# KiCad board multi-channel-cremat-amplifier.kicad_pcb (continued)
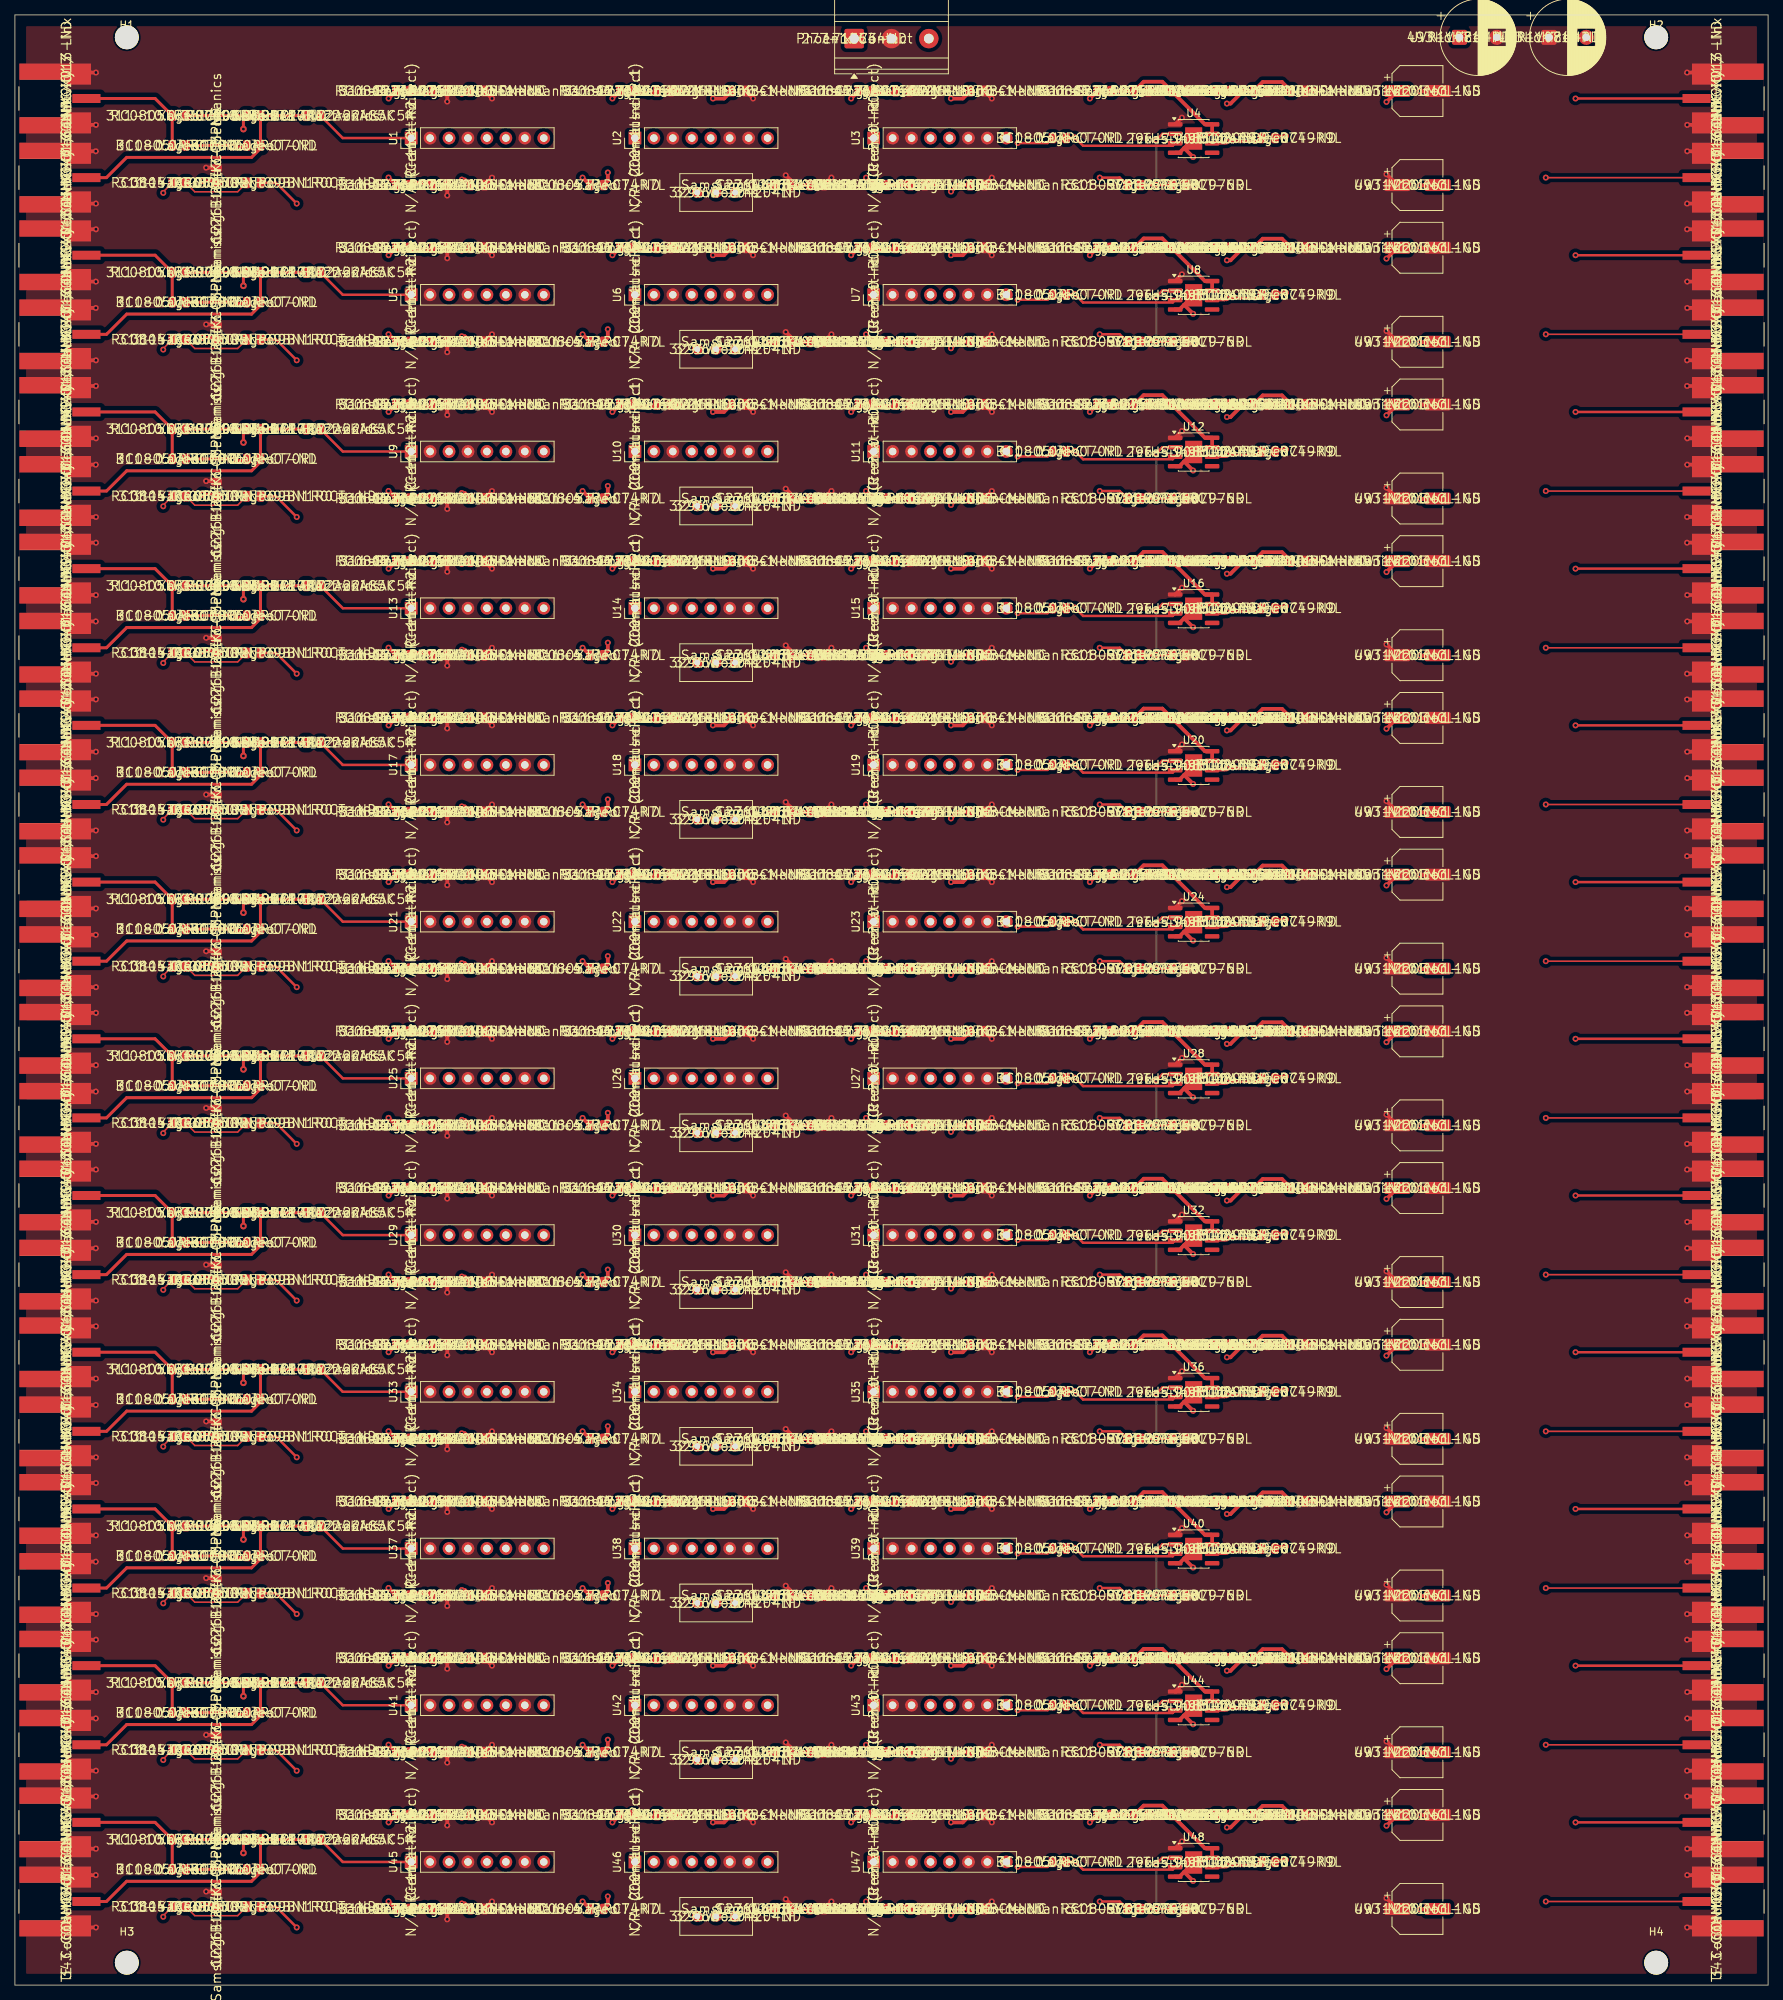
[diagram p0: board, top side]
## Placement (name value [footprint] x y rotation side) (continued)
R4  0R  [R_0805_2012Metric]  32 246.5 0 top  (not fitted)
R5  47  [R_0805_2012Metric]  22 241.5 0 top
R6  4.7  [R_0805_2012Metric]  52 253.8 0 top
R7  4.7  [R_0805_2012Metric]  52 241.2 0 top
R8  4.7  [R_0805_2012Metric]  82 253.8 0 top
R9  4.7  [R_0805_2012Metric]  78 241.2 0 top
R10  4.7  [R_0805_2012Metric]  114 253.8 0 top
R11  4.7  [R_0805_2012Metric]  116 241.2 0 top
R12  0R  [R_0805_2012Metric]  140 247.5 0 top  (not fitted)
R13  976  [R_0805_2012Metric]  150 241.2 0 top
R14  976  [R_0805_2012Metric]  156 241.2 0 top
R15  49.9  [R_0805_2012Metric]  168 247.5 0 top
R16  4.7  [R_0805_2012Metric]  146 253.8 0 top
R17  4.7  [R_0805_2012Metric]  162 253.8 0 top
R18  10k  [R_0805_2012Metric]  22 229.5 0 top
R19  0R  [R_0805_2012Metric]  22 225.5 0 top  (not fitted)
R20  10k  [R_0805_2012Metric]  32 229.5 0 top
R21  0R  [R_0805_2012Metric]  32 225.5 0 top  (not fitted)
R22  47  [R_0805_2012Metric]  22 220.5 0 top
R23  4.7  [R_0805_2012Metric]  52 232.8 0 top
R24  4.7  [R_0805_2012Metric]  52 220.2 0 top
R25  4.7  [R_0805_2012Metric]  82 232.8 0 top
R26  4.7  [R_0805_2012Metric]  78 220.2 0 top
R27  4.7  [R_0805_2012Metric]  114 232.8 0 top
R28  4.7  [R_0805_2012Metric]  116 220.2 0 top
R29  0R  [R_0805_2012Metric]  140 226.5 0 top  (not fitted)
R30  976  [R_0805_2012Metric]  150 220.2 0 top
R31  976  [R_0805_2012Metric]  156 220.2 0 top
R32  49.9  [R_0805_2012Metric]  168 226.5 0 top
R33  4.7  [R_0805_2012Metric]  146 232.8 0 top
R34  4.7  [R_0805_2012Metric]  162 232.8 0 top
R35  10k  [R_0805_2012Metric]  22 208.5 0 top
R36  0R  [R_0805_2012Metric]  22 204.5 0 top  (not fitted)
R37  10k  [R_0805_2012Metric]  32 208.5 0 top
R38  0R  [R_0805_2012Metric]  32 204.5 0 top  (not fitted)
R39  47  [R_0805_2012Metric]  22 199.5 0 top
R40  4.7  [R_0805_2012Metric]  52 211.8 0 top
R41  4.7  [R_0805_2012Metric]  52 199.2 0 top
R42  4.7  [R_0805_2012Metric]  82 211.8 0 top
R43  4.7  [R_0805_2012Metric]  78 199.2 0 top
R44  4.7  [R_0805_2012Metric]  114 211.8 0 top
R45  4.7  [R_0805_2012Metric]  116 199.2 0 top
R46  0R  [R_0805_2012Metric]  140 205.5 0 top  (not fitted)
R47  976  [R_0805_2012Metric]  150 199.2 0 top
R48  976  [R_0805_2012Metric]  156 199.2 0 top
R49  49.9  [R_0805_2012Metric]  168 205.5 0 top
R50  4.7  [R_0805_2012Metric]  146 211.8 0 top
R51  4.7  [R_0805_2012Metric]  162 211.8 0 top
R52  10k  [R_0805_2012Metric]  22 187.5 0 top
R53  0R  [R_0805_2012Metric]  22 183.5 0 top  (not fitted)
R54  10k  [R_0805_2012Metric]  32 187.5 0 top
R55  0R  [R_0805_2012Metric]  32 183.5 0 top  (not fitted)
R56  47  [R_0805_2012Metric]  22 178.5 0 top
R57  4.7  [R_0805_2012Metric]  52 190.8 0 top
R58  4.7  [R_0805_2012Metric]  52 178.2 0 top
R59  4.7  [R_0805_2012Metric]  82 190.8 0 top
R60  4.7  [R_0805_2012Metric]  78 178.2 0 top
R61  4.7  [R_0805_2012Metric]  114 190.8 0 top
R62  4.7  [R_0805_2012Metric]  116 178.2 0 top
R63  0R  [R_0805_2012Metric]  140 184.5 0 top  (not fitted)
R64  976  [R_0805_2012Metric]  150 178.2 0 top
R65  976  [R_0805_2012Metric]  156 178.2 0 top
R66  49.9  [R_0805_2012Metric]  168 184.5 0 top
R67  4.7  [R_0805_2012Metric]  146 190.8 0 top
R68  4.7  [R_0805_2012Metric]  162 190.8 0 top
R69  10k  [R_0805_2012Metric]  22 166.5 0 top
R70  0R  [R_0805_2012Metric]  22 162.5 0 top  (not fitted)
R71  10k  [R_0805_2012Metric]  32 166.5 0 top
R72  0R  [R_0805_2012Metric]  32 162.5 0 top  (not fitted)
R73  47  [R_0805_2012Metric]  22 157.5 0 top
R74  4.7  [R_0805_2012Metric]  52 169.8 0 top
R75  4.7  [R_0805_2012Metric]  52 157.2 0 top
R76  4.7  [R_0805_2012Metric]  82 169.8 0 top
R77  4.7  [R_0805_2012Metric]  78 157.2 0 top
R78  4.7  [R_0805_2012Metric]  114 169.8 0 top
R79  4.7  [R_0805_2012Metric]  116 157.2 0 top
R80  0R  [R_0805_2012Metric]  140 163.5 0 top  (not fitted)
R81  976  [R_0805_2012Metric]  150 157.2 0 top
R82  976  [R_0805_2012Metric]  156 157.2 0 top
R83  49.9  [R_0805_2012Metric]  168 163.5 0 top
R84  4.7  [R_0805_2012Metric]  146 169.8 0 top
R85  4.7  [R_0805_2012Metric]  162 169.8 0 top
R86  10k  [R_0805_2012Metric]  22 145.5 0 top
R87  0R  [R_0805_2012Metric]  22 141.5 0 top  (not fitted)
R88  10k  [R_0805_2012Metric]  32 145.5 0 top
R89  0R  [R_0805_2012Metric]  32 141.5 0 top  (not fitted)
R90  47  [R_0805_2012Metric]  22 136.5 0 top
R91  4.7  [R_0805_2012Metric]  52 148.8 0 top
R92  4.7  [R_0805_2012Metric]  52 136.2 0 top
R93  4.7  [R_0805_2012Metric]  82 148.8 0 top
R94  4.7  [R_0805_2012Metric]  78 136.2 0 top
R95  4.7  [R_0805_2012Metric]  114 148.8 0 top
R96  4.7  [R_0805_2012Metric]  116 136.2 0 top
R97  0R  [R_0805_2012Metric]  140 142.5 0 top  (not fitted)
R98  976  [R_0805_2012Metric]  150 136.2 0 top
R99  976  [R_0805_2012Metric]  156 136.2 0 top
R100  49.9  [R_0805_2012Metric]  168 142.5 0 top
R101  4.7  [R_0805_2012Metric]  146 148.8 0 top
R102  4.7  [R_0805_2012Metric]  162 148.8 0 top
R103  10k  [R_0805_2012Metric]  22 124.5 0 top
R104  0R  [R_0805_2012Metric]  22 120.5 0 top  (not fitted)
R105  10k  [R_0805_2012Metric]  32 124.5 0 top
R106  0R  [R_0805_2012Metric]  32 120.5 0 top  (not fitted)
R107  47  [R_0805_2012Metric]  22 115.5 0 top
R108  4.7  [R_0805_2012Metric]  52 127.8 0 top
R109  4.7  [R_0805_2012Metric]  52 115.2 0 top
R110  4.7  [R_0805_2012Metric]  82 127.8 0 top
R111  4.7  [R_0805_2012Metric]  78 115.2 0 top
R112  4.7  [R_0805_2012Metric]  114 127.8 0 top
R113  4.7  [R_0805_2012Metric]  116 115.2 0 top
R114  0R  [R_0805_2012Metric]  140 121.5 0 top  (not fitted)
R115  976  [R_0805_2012Metric]  150 115.2 0 top
R116  976  [R_0805_2012Metric]  156 115.2 0 top
R117  49.9  [R_0805_2012Metric]  168 121.5 0 top
R118  4.7  [R_0805_2012Metric]  146 127.8 0 top
R119  4.7  [R_0805_2012Metric]  162 127.8 0 top
R120  10k  [R_0805_2012Metric]  22 103.5 0 top
R121  0R  [R_0805_2012Metric]  22 99.5 0 top  (not fitted)
R122  10k  [R_0805_2012Metric]  32 103.5 0 top
R123  0R  [R_0805_2012Metric]  32 99.5 0 top  (not fitted)
R124  47  [R_0805_2012Metric]  22 94.5 0 top
R125  4.7  [R_0805_2012Metric]  52 106.8 0 top
R126  4.7  [R_0805_2012Metric]  52 94.2 0 top
R127  4.7  [R_0805_2012Metric]  82 106.8 0 top
R128  4.7  [R_0805_2012Metric]  78 94.2 0 top
R129  4.7  [R_0805_2012Metric]  114 106.8 0 top
R130  4.7  [R_0805_2012Metric]  116 94.2 0 top
R131  0R  [R_0805_2012Metric]  140 100.5 0 top  (not fitted)
R132  976  [R_0805_2012Metric]  150 94.2 0 top
R133  976  [R_0805_2012Metric]  156 94.2 0 top
R134  49.9  [R_0805_2012Metric]  168 100.5 0 top
R135  4.7  [R_0805_2012Metric]  146 106.8 0 top
R136  4.7  [R_0805_2012Metric]  162 106.8 0 top
R137  10k  [R_0805_2012Metric]  22 82.5 0 top
R138  0R  [R_0805_2012Metric]  22 78.5 0 top  (not fitted)
R139  10k  [R_0805_2012Metric]  32 82.5 0 top
R140  0R  [R_0805_2012Metric]  32 78.5 0 top  (not fitted)
R141  47  [R_0805_2012Metric]  22 73.5 0 top
R142  4.7  [R_0805_2012Metric]  52 85.8 0 top
R143  4.7  [R_0805_2012Metric]  52 73.2 0 top
R144  4.7  [R_0805_2012Metric]  82 85.8 0 top
R145  4.7  [R_0805_2012Metric]  78 73.2 0 top
R146  4.7  [R_0805_2012Metric]  114 85.8 0 top
R147  4.7  [R_0805_2012Metric]  116 73.2 0 top
R148  0R  [R_0805_2012Metric]  140 79.5 0 top  (not fitted)
R149  976  [R_0805_2012Metric]  150 73.2 0 top
R150  976  [R_0805_2012Metric]  156 73.2 0 top
R151  49.9  [R_0805_2012Metric]  168 79.5 0 top
R152  4.7  [R_0805_2012Metric]  146 85.8 0 top
R153  4.7  [R_0805_2012Metric]  162 85.8 0 top
R154  10k  [R_0805_2012Metric]  22 61.5 0 top
R155  0R  [R_0805_2012Metric]  22 57.5 0 top  (not fitted)
R156  10k  [R_0805_2012Metric]  32 61.5 0 top
R157  0R  [R_0805_2012Metric]  32 57.5 0 top  (not fitted)
R158  47  [R_0805_2012Metric]  22 52.5 0 top
R159  4.7  [R_0805_2012Metric]  52 64.8 0 top
R160  4.7  [R_0805_2012Metric]  52 52.2 0 top
R161  4.7  [R_0805_2012Metric]  82 64.8 0 top
R162  4.7  [R_0805_2012Metric]  78 52.2 0 top
R163  4.7  [R_0805_2012Metric]  114 64.8 0 top
R164  4.7  [R_0805_2012Metric]  116 52.2 0 top
R165  0R  [R_0805_2012Metric]  140 58.5 0 top  (not fitted)
R166  976  [R_0805_2012Metric]  150 52.2 0 top
R167  976  [R_0805_2012Metric]  156 52.2 0 top
R168  49.9  [R_0805_2012Metric]  168 58.5 0 top
R169  4.7  [R_0805_2012Metric]  146 64.8 0 top
R170  4.7  [R_0805_2012Metric]  162 64.8 0 top
R171  10k  [R_0805_2012Metric]  22 40.5 0 top
R172  0R  [R_0805_2012Metric]  22 36.5 0 top  (not fitted)
R173  10k  [R_0805_2012Metric]  32 40.5 0 top
R174  0R  [R_0805_2012Metric]  32 36.5 0 top  (not fitted)
R175  47  [R_0805_2012Metric]  22 31.5 0 top
R176  4.7  [R_0805_2012Metric]  52 43.8 0 top
R177  4.7  [R_0805_2012Metric]  52 31.2 0 top
R178  4.7  [R_0805_2012Metric]  82 43.8 0 top
R179  4.7  [R_0805_2012Metric]  78 31.2 0 top
R180  4.7  [R_0805_2012Metric]  114 43.8 0 top
R181  4.7  [R_0805_2012Metric]  116 31.2 0 top
R182  0R  [R_0805_2012Metric]  140 37.5 0 top  (not fitted)
R183  976  [R_0805_2012Metric]  150 31.2 0 top
R184  976  [R_0805_2012Metric]  156 31.2 0 top
R185  49.9  [R_0805_2012Metric]  168 37.5 0 top
R186  4.7  [R_0805_2012Metric]  146 43.8 0 top
R187  4.7  [R_0805_2012Metric]  162 43.8 0 top
R188  10k  [R_0805_2012Metric]  22 19.5 0 top
R189  0R  [R_0805_2012Metric]  22 15.5 0 top  (not fitted)
R190  10k  [R_0805_2012Metric]  32 19.5 0 top
R191  0R  [R_0805_2012Metric]  32 15.5 0 top  (not fitted)
R192  47  [R_0805_2012Metric]  22 10.5 0 top
R193  4.7  [R_0805_2012Metric]  52 22.8 0 top
R194  4.7  [R_0805_2012Metric]  52 10.2 0 top
R195  4.7  [R_0805_2012Metric]  82 22.8 0 top
R196  4.7  [R_0805_2012Metric]  78 10.2 0 top
R197  4.7  [R_0805_2012Metric]  114 22.8 0 top
R198  4.7  [R_0805_2012Metric]  116 10.2 0 top
R199  0R  [R_0805_2012Metric]  140 16.5 0 top  (not fitted)
R200  976  [R_0805_2012Metric]  150 10.2 0 top
R201  976  [R_0805_2012Metric]  156 10.2 0 top
R202  49.9  [R_0805_2012Metric]  168 16.5 0 top
R203  4.7  [R_0805_2012Metric]  146 22.8 0 top
R204  4.7  [R_0805_2012Metric]  162 22.8 0 top
RV1  200k  [Potentiometer_Bourns_3296W_Vertical]  96.54 240.2 0 top
RV2  200k  [Potentiometer_Bourns_3296W_Vertical]  96.54 219.2 0 top
RV3  200k  [Potentiometer_Bourns_3296W_Vertical]  96.54 198.2 0 top
RV4  200k  [Potentiometer_Bourns_3296W_Vertical]  96.54 177.2 0 top
RV5  200k  [Potentiometer_Bourns_3296W_Vertical]  96.54 156.2 0 top
RV6  200k  [Potentiometer_Bourns_3296W_Vertical]  96.54 135.21 0 top
RV7  200k  [Potentiometer_Bourns_3296W_Vertical]  96.54 114.21 0 top
RV8  200k  [Potentiometer_Bourns_3296W_Vertical]  96.54 93.21 0 top
RV9  200k  [Potentiometer_Bourns_3296W_Vertical]  96.54 72.21 0 top
RV10  200k  [Potentiometer_Bourns_3296W_Vertical]  96.54 51.21 0 top
RV11  200k  [Potentiometer_Bourns_3296W_Vertical]  96.54 30.21 0 top
RV12  200k  [Potentiometer_Bourns_3296W_Vertical]  96.54 9.21 0 top
U1  CR-112  [PinHeader_1x08_P2.54mm_Vertical]  53.11 247.5 90 top
U2  CR-200-1us  [PinHeader_1x08_P2.54mm_Vertical]  83.11 247.5 90 top
U3  CR-210  [PinHeader_1x08_P2.54mm_Vertical]  115.11 247.5 90 top
U4  THS3491  [SOIC-8-1EP_3.9x4.9mm_P1.27mm_EP2.29x3mm]  158 247.43 0 top
U5  CR-112  [PinHeader_1x08_P2.54mm_Vertical]  53.11 226.5 90 top
U6  CR-200-1us  [PinHeader_1x08_P2.54mm_Vertical]  83.11 226.5 90 top
U7  CR-210  [PinHeader_1x08_P2.54mm_Vertical]  115.11 226.5 90 top
U8  THS3491  [SOIC-8-1EP_3.9x4.9mm_P1.27mm_EP2.29x3mm]  158 226.43 0 top
U9  CR-112  [PinHeader_1x08_P2.54mm_Vertical]  53.11 205.5 90 top
U10  CR-200-1us  [PinHeader_1x08_P2.54mm_Vertical]  83.11 205.5 90 top
U11  CR-210  [PinHeader_1x08_P2.54mm_Vertical]  115.11 205.5 90 top
U12  THS3491  [SOIC-8-1EP_3.9x4.9mm_P1.27mm_EP2.29x3mm]  158 205.43 0 top
U13  CR-112  [PinHeader_1x08_P2.54mm_Vertical]  53.11 184.5 90 top
U14  CR-200-1us  [PinHeader_1x08_P2.54mm_Vertical]  83.11 184.5 90 top
U15  CR-210  [PinHeader_1x08_P2.54mm_Vertical]  115.11 184.5 90 top
U16  THS3491  [SOIC-8-1EP_3.9x4.9mm_P1.27mm_EP2.29x3mm]  158 184.43 0 top
U17  CR-112  [PinHeader_1x08_P2.54mm_Vertical]  53.11 163.5 90 top
U18  CR-200-1us  [PinHeader_1x08_P2.54mm_Vertical]  83.11 163.5 90 top
U19  CR-210  [PinHeader_1x08_P2.54mm_Vertical]  115.11 163.5 90 top
U20  THS3491  [SOIC-8-1EP_3.9x4.9mm_P1.27mm_EP2.29x3mm]  158 163.43 0 top
U21  CR-112  [PinHeader_1x08_P2.54mm_Vertical]  53.11 142.5 90 top
U22  CR-200-1us  [PinHeader_1x08_P2.54mm_Vertical]  83.11 142.5 90 top
U23  CR-210  [PinHeader_1x08_P2.54mm_Vertical]  115.11 142.5 90 top
U24  THS3491  [SOIC-8-1EP_3.9x4.9mm_P1.27mm_EP2.29x3mm]  158 142.43 0 top
U25  CR-112  [PinHeader_1x08_P2.54mm_Vertical]  53.11 121.5 90 top
U26  CR-200-1us  [PinHeader_1x08_P2.54mm_Vertical]  83.11 121.5 90 top
U27  CR-210  [PinHeader_1x08_P2.54mm_Vertical]  115.11 121.5 90 top
U28  THS3491  [SOIC-8-1EP_3.9x4.9mm_P1.27mm_EP2.29x3mm]  158 121.43 0 top
U29  CR-112  [PinHeader_1x08_P2.54mm_Vertical]  53.11 100.5 90 top
U30  CR-200-1us  [PinHeader_1x08_P2.54mm_Vertical]  83.11 100.5 90 top
U31  CR-210  [PinHeader_1x08_P2.54mm_Vertical]  115.11 100.5 90 top
U32  THS3491  [SOIC-8-1EP_3.9x4.9mm_P1.27mm_EP2.29x3mm]  158 100.43 0 top
U33  CR-112  [PinHeader_1x08_P2.54mm_Vertical]  53.11 79.5 90 top
U34  CR-200-1us  [PinHeader_1x08_P2.54mm_Vertical]  83.11 79.5 90 top
U35  CR-210  [PinHeader_1x08_P2.54mm_Vertical]  115.11 79.5 90 top
U36  THS3491  [SOIC-8-1EP_3.9x4.9mm_P1.27mm_EP2.29x3mm]  158 79.43 0 top
U37  CR-112  [PinHeader_1x08_P2.54mm_Vertical]  53.11 58.5 90 top
U38  CR-200-1us  [PinHeader_1x08_P2.54mm_Vertical]  83.11 58.5 90 top
U39  CR-210  [PinHeader_1x08_P2.54mm_Vertical]  115.11 58.5 90 top
U40  THS3491  [SOIC-8-1EP_3.9x4.9mm_P1.27mm_EP2.29x3mm]  158 58.43 0 top
U41  CR-112  [PinHeader_1x08_P2.54mm_Vertical]  53.11 37.5 90 top
U42  CR-200-1us  [PinHeader_1x08_P2.54mm_Vertical]  83.11 37.5 90 top
U43  CR-210  [PinHeader_1x08_P2.54mm_Vertical]  115.11 37.5 90 top
U44  THS3491  [SOIC-8-1EP_3.9x4.9mm_P1.27mm_EP2.29x3mm]  158 37.43 0 top
U45  CR-112  [PinHeader_1x08_P2.54mm_Vertical]  53.11 16.5 90 top
U46  CR-200-1us  [PinHeader_1x08_P2.54mm_Vertical]  83.11 16.5 90 top
U47  CR-210  [PinHeader_1x08_P2.54mm_Vertical]  115.11 16.5 90 top
U48  THS3491  [SOIC-8-1EP_3.9x4.9mm_P1.27mm_EP2.29x3mm]  158 16.43 0 top

## Library data of the parts
C1 C22 C43 C64 C85 C106 C127 C148 C169 C190 C211 C232 = -: KiLib_Generator: SMD_2terminal_chip_molded; MPN: CL21B104KCC5PNC; Manufacturer: Samsung Electro-Mechanics; Distributor PN: 1276-2447-1-ND
C2 C23 C44 C65 C86 C107 C128 C149 C170 C191 C212 C233 = -: KiLib_Generator: SMD_2terminal_chip_molded; MPN: GRM21AR72A224KAC5K; Manufacturer: Murata Electronics; Distributor PN: 490-GRM21AR72A224KAC5K
C3 C24 C45 C66 C87 C108 C129 C150 C171 C192 C213 C234 = -: KiLib_Generator: SMD_2terminal_chip_molded; MPN: CC0805CRNPO9BN1R0; Manufacturer: Yageo; Distributor PN: 311-CC0805CRNPO9BN1R0CT-ND
C4 C6 C8 C10 C12 C14 C18 C20 C25 C27 C29 C31 C33 C35 C39 C41 C46 C48 C50 C52 C54 C56 C60 C62 C67 C69 C71 C73 C75 C77 C81 C83 C88 C90 C92 C94 C96 C98 C102 C104 C109 C111 C113 C115 C117 C119 C123 C125 C130 C132 C134 C136 C138 C140 C144 C146 C151 C153 C155 C157 C159 C161 C165 C167 C172 C174 C176 C178 C180 C182 C186 C188 C193 C195 C197 C199 C201 C203 C207 C209 C214 C216 C218 C220 C222 C224 C228 C230 C235 C237 C239 C241 C243 C245 C249 C251 = -: KiLib_Generator: SMD_2terminal_chip_molded; MPN: CL21A106KAYNNNE; Manufacturer: Samsung Electro-Mechanics; Distributor PN: 1276-1037-1-ND
C5 C7 C9 C11 C13 C15 C19 C21 C26 C28 C30 C32 C34 C36 C40 C42 C47 C49 C51 C53 C55 C57 C61 C63 C68 C70 C72 C74 C76 C78 C82 C84 C89 C91 C93 C95 C97 C99 C103 C105 C110 C112 C114 C116 C118 C120 C124 C126 C131 C133 C135 C137 C139 C141 C145 C147 C152 C154 C156 C158 C160 C162 C166 C168 C173 C175 C177 C179 C181 C183 C187 C189 C194 C196 C198 C200 C202 C204 C208 C210 C215 C217 C219 C221 C223 C225 C229 C231 C236 C238 C240 C242 C244 C246 C250 C252 = -: KiLib_Generator: SMD_2terminal_chip_molded; MPN: CL21B104KBCNNNC; Manufacturer: Samsung Electro-Mechanics; Distributor PN: 1276-1000-1-ND
C16 C17 C37 C38 C58 C59 C79 C80 C100 C101 C121 C122 C142 C143 C163 C164 C184 C185 C205 C206 C226 C227 C247 C248 = -: KiLib_Generator: capacitor/SMD/elec_round_polarized; MPN: UWT1V101MCL1GS; Manufacturer: Nichicon; Distributor PN: 493-2203-1-ND
C253 C254 = -: KiLib_Generator: capacitor/THT/other; MPN: UVR1V471MPD; Manufacturer: Nichicon; Distributor PN: 493-1084-ND
H1-H4 = -: KiLib_Generator: mounting_hardware/mounting_hole
J1-J48 = -: MPN: CONMCX013; Manufacturer: TE Connectivity / Linx; Distributor PN: 343-CONMCX013-ND
J49 = -: KiLib_Generator: terminal_block/Phoenix; MPN: 1715734; Manufacturer: Phoenix Contact; Distributor PN: 277-1264-ND
R1 R3 R18 R20 R35 R37 R52 R54 R69 R71 R86 R88 R103 R105 R120 R122 R137 R139 R154 R156 R171 R173 R188 R190 = -: KiLib_Generator: SMD_2terminal_chip_molded; MPN: RC0805FR-0710KL; Manufacturer: Yageo; Distributor PN: 311-10.0KCRCT-ND
R2 R4 R12 R19 R21 R29 R36 R38 R46 R53 R55 R63 R70 R72 R80 R87 R89 R97 R104 R106 R114 R121 R123 R131 R138 R140 R148 R155 R157 R165 R172 R174 R182 R189 R191 R199 = -: KiLib_Generator: SMD_2terminal_chip_molded; MPN: RC0805JR-070RL; Manufacturer: Yageo; Distributor PN: 311-0.0ARCT-ND
R5 R22 R39 R56 R73 R90 R107 R124 R141 R158 R175 R192 = -: KiLib_Generator: SMD_2terminal_chip_molded; MPN: RC0805JR-0747RL; Manufacturer: Yageo; Distributor PN: 311-47ARCT-ND
R6-R11 R16 R17 R23-R28 R33 R34 R40-R45 R50 R51 R57-R62 R67 R68 R74-R79 R84 R85 R91-R96 R101 R102 R108-R113 R118 R119 R125-R130 R135 R136 R142-R147 R152 R153 R159-R164 R169 R170 R176-R181 R186 R187 R193-R198 R203 R204 = -: KiLib_Generator: SMD_2terminal_chip_molded; MPN: RC0805JR-074R7L; Manufacturer: Yageo; Distributor PN: 311-4.7ARCT-ND
R13 R14 R30 R31 R47 R48 R64 R65 R81 R82 R98 R99 R115 R116 R132 R133 R149 R150 R166 R167 R183 R184 R200 R201 = -: KiLib_Generator: SMD_2terminal_chip_molded; MPN: RC0805FR-07976RL; Manufacturer: Yageo; Distributor PN: 311-976CRCT-ND
R15 R32 R49 R66 R83 R100 R117 R134 R151 R168 R185 R202 = -: KiLib_Generator: SMD_2terminal_chip_molded; MPN: RC0805FR-0749R9L; Manufacturer: Yageo; Distributor PN: 311-49.9CRCT-ND
RV1-RV12 = -: KiLib_Generator: potentiometer/THT; MPN: 3296W-1-204LF; Manufacturer: Bourns; Distributor PN: 3296W-204LF-ND
U1 U5 U9 U13 U17 U21 U25 U29 U33 U37 U41 U45 = -: KiLib_Generator: connector/pin_header_socket; MPN: CR-112-R2.1; Manufacturer: Cremat Inc; Distributor PN: N/A (Cremat-direct)
U2 U6 U10 U14 U18 U22 U26 U30 U34 U38 U42 U46 = -: KiLib_Generator: connector/pin_header_socket; MPN: CR-200-1us-R2.1; Manufacturer: Cremat Inc; Distributor PN: N/A (Cremat-direct)
U3 U7 U11 U15 U19 U23 U27 U31 U35 U39 U43 U47 = -: KiLib_Generator: connector/pin_header_socket; MPN: CR-210-R0; Manufacturer: Cremat Inc; Distributor PN: N/A (Cremat-direct)
U4 U8 U12 U16 U20 U24 U28 U32 U36 U40 U44 U48 = -: KiLib_Generator: package/gullwing; MPN: THS3491IDDAT; Manufacturer: Texas Instruments; Distributor PN: 296-49085-2-ND

## Footprints (pads in the part's own frame, mm; a bottom-side part is the same pattern mirrored in y, then rotated)
C_0805_2012Metric
  rrect 1x1.45 smd: 1(-0.95,0) 2(0.95,0)
CP_Elec_6.3x7.7
  rrect 3.5x1.6 smd: 1(-2.7,0) 2(2.7,0)
CP_Radial_D10.0mm_P5.00mm
  rrect 2x2 hole 1: 1(0,0)
  round 2 hole 1: 2(5,0)
MCX_CONMCX013_EdgeMount
  rect 1.2x3.77 smd: 1(0,2.685)
  custom 2.84x9.61 smd: 2(-3.6,-1.5) 2(3.6,-1.5)
MountingHole_3.2mm_M3
  round 3.2 hole 3.2 unplated: (0,0)
PinHeader_1x08_P2.54mm_Vertical
  rect 1.7x1.7 hole 1: 1(0,0)
  round 1.7 hole 1: 2(0,-2.54) 3(0,-5.08) 4(0,-7.62) 5(0,-10.16) 6(0,-12.7) 7(0,-15.24) 8(0,-17.78)
Potentiometer_Bourns_3296W_Vertical
  round 1.44 hole 0.8: 1(0,0) 2(-2.54,0) 3(-5.08,0)
R_0805_2012Metric
  rrect 1.025x1.4 smd: 1(-0.912,0) 2(0.912,0)
SOIC-8-1EP_3.9x4.9mm_P1.27mm_EP2.29x3mm
  rrect 0.92x1.21 smd: (-0.57,0.75) (-0.57,-0.75) (0.57,0.75) (0.57,-0.75)
  rrect 1.95x0.6 smd: 1(-2.475,1.905) 2(-2.475,0.635) 3(-2.475,-0.635) 4(-2.475,-1.905) 5(2.475,-1.905) 6(2.475,-0.635) 7(2.475,0.635) 8(2.475,1.905)
  rect 2.29x3 smd: 9(0,0)
TerminalBlock_Phoenix_MKDS-1,5-3_1x03_P5.00mm_Horizontal
  rrect 2.6x2.6 hole 1.3: 1(0,0)
  round 2.6 hole 1.3: 2(5,0) 3(10,0)

## Nets
GND: C1.2 C4.2 C5.2 C6.2 C7.2 C8.2 C9.2 C10.2 C11.2 C12.2 C13.2 C14.2 C15.2 C16.2 C17.1 C18.2 C19.2 C20.2 C21.2 C22.2 C25.2 C26.2 C27.2 C28.2 C29.2 C30.2 C31.2 C32.2 C33.2 C34.2 C35.2 C36.2 C37.2 C38.1 C39.2 C40.2 C41.2 C42.2 C43.2 C46.2 C47.2 C48.2 C49.2 C50.2 C51.2 C52.2 C53.2 C54.2 C55.2 C56.2 C57.2 C58.2 C59.1 C60.2 C61.2 C62.2 C63.2 C64.2 C67.2 C68.2 C69.2 C70.2 C71.2 C72.2 C73.2 C74.2 C75.2 C76.2 C77.2 C78.2 C79.2 C80.1 C81.2 C82.2 C83.2 C84.2 C85.2 C88.2 C89.2 C90.2 C91.2 C92.2 C93.2 C94.2 C95.2 C96.2 C97.2 C98.2 C99.2 C100.2 C101.1 C102.2 C103.2 C104.2 C105.2 C106.2 C109.2 C110.2 C111.2 C112.2 C113.2 C114.2 C115.2 C116.2 C117.2 C118.2 C119.2 C120.2 C121.2 C122.1 C123.2 C124.2 C125.2 C126.2 C127.2 C130.2 C131.2 C132.2 C133.2 C134.2 C135.2 C136.2 C137.2 C138.2 C139.2 C140.2 C141.2 C142.2 C143.1 C144.2 C145.2 C146.2 C147.2 C148.2 C151.2 C152.2 C153.2 C154.2 C155.2 C156.2 C157.2 C158.2 C159.2 C160.2 C161.2 C162.2 C163.2 C164.1 C165.2 C166.2 C167.2 C168.2 C169.2 C172.2 C173.2 C174.2 C175.2 C176.2 C177.2 C178.2 C179.2 C180.2 C181.2 C182.2 C183.2 C184.2 C185.1 C186.2 C187.2 C188.2 C189.2 C190.2 C193.2 C194.2 C195.2 C196.2 C197.2 C198.2 C199.2 C200.2 C201.2 C202.2 C203.2 C204.2 C205.2 C206.1 C207.2 C208.2 C209.2 C210.2 C211.2 C214.2 C215.2 C216.2 C217.2 C218.2 C219.2 C220.2 C221.2 C222.2 C223.2 C224.2 C225.2 C226.2 C227.1 C228.2 C229.2 C230.2 C231.2 C232.2 C235.2 C236.2 C237.2 C238.2 C239.2 C240.2 C241.2 C242.2 C243.2 C244.2 C245.2 C246.2 C247.2 C248.1 C249.2 C250.2 C251.2 C252.2 C253.2 C254.1 J1.2 J2.2 J3.2 J4.2 J5.2 J6.2 J7.2 J8.2 J9.2 J10.2 J11.2 J12.2 J13.2 J14.2 J15.2 J16.2 J17.2 J18.2 J19.2 J20.2 J21.2 J22.2 J23.2 J24.2 J25.2 J26.2 J27.2 J28.2 J29.2 J30.2 J31.2 J32.2 J33.2 J34.2 J35.2 J36.2 J37.2 J38.2 J39.2 J40.2 J41.2 J42.2 J43.2 J44.2 J45.2 J46.2 J47.2 J48.2 J49.2 R14.2 R31.2 R48.2 R65.2 R82.2 R99.2 R116.2 R133.2 R150.2 R167.2 R184.2 R201.2 U1.2 U1.4 U1.7 U2.3 U2.6 U2.7 U3.2 U3.3 U3.6 U3.7 U4.1 U5.2 U5.4 U5.7 U6.3 U6.6 U6.7 U7.2 U7.3 U7.6 U7.7 U8.1 U9.2 U9.4 U9.7 U10.3 U10.6 U10.7 U11.2 U11.3 U11.6 U11.7 U12.1 U13.2 U13.4 U13.7 U14.3 U14.6 U14.7 U15.2 U15.3 U15.6 U15.7 U16.1 U17.2 U17.4 U17.7 U18.3 U18.6 U18.7 U19.2 U19.3 U19.6 U19.7 U20.1 U21.2 U21.4 U21.7 U22.3 U22.6 U22.7 U23.2 U23.3 U23.6 U23.7 U24.1 U25.2 U25.4 U25.7 U26.3 U26.6 U26.7 U27.2 U27.3 U27.6 U27.7 U28.1 U29.2 U29.4 U29.7 U30.3 U30.6 U30.7 U31.2 U31.3 U31.6 U31.7 U32.1 U33.2 U33.4 U33.7 U34.3 U34.6 U34.7 U35.2 U35.3 U35.6 U35.7 U36.1 U37.2 U37.4 U37.7 U38.3 U38.6 U38.7 U39.2 U39.3 U39.6 U39.7 U40.1 U41.2 U41.4 U41.7 U42.3 U42.6 U42.7 U43.2 U43.3 U43.6 U43.7 U44.1 U45.2 U45.4 U45.7 U46.3 U46.6 U46.7 U47.2 U47.3 U47.6 U47.7 U48.1
+VDC: C16.1 C37.1 C58.1 C79.1 C100.1 C121.1 C142.1 C163.1 C184.1 C205.1 C226.1 C247.1 C253.1 J49.1 R6.1 R8.1 R10.1 R16.1 R23.1 R25.1 R27.1 R33.1 R40.1 R42.1 R44.1 R50.1 R57.1 R59.1 R61.1 R67.1 R74.1 R76.1 R78.1 R84.1 R91.1 R93.1 R95.1 R101.1 R108.1 R110.1 R112.1 R118.1 R125.1 R127.1 R129.1 R135.1 R142.1 R144.1 R146.1 R152.1 R159.1 R161.1 R163.1 R169.1 R176.1 R178.1 R180.1 R186.1 R193.1 R195.1 R197.1 R203.1
-VDC: C17.2 C38.2 C59.2 C80.2 C101.2 C122.2 C143.2 C164.2 C185.2 C206.2 C227.2 C248.2 C254.2 J49.3 R7.1 R9.1 R11.1 R17.1 R24.1 R26.1 R28.1 R34.1 R41.1 R43.1 R45.1 R51.1 R58.1 R60.1 R62.1 R68.1 R75.1 R77.1 R79.1 R85.1 R92.1 R94.1 R96.1 R102.1 R109.1 R111.1 R113.1 R119.1 R126.1 R128.1 R130.1 R136.1 R143.1 R145.1 R147.1 R153.1 R160.1 R162.1 R164.1 R170.1 R177.1 R179.1 R181.1 R187.1 R194.1 R196.1 R198.1 R204.1
/+VS_F_ch01: C4.1 C5.1 R6.2 U1.6
/+VS_F_ch02: C25.1 C26.1 R23.2 U5.6
/+VS_F_ch03: C46.1 C47.1 R40.2 U9.6
/+VS_F_ch04: C67.1 C68.1 R57.2 U13.6
/+VS_F_ch05: C88.1 C89.1 R74.2 U17.6
/+VS_F_ch06: C109.1 C110.1 R91.2 U21.6
/+VS_F_ch07: C130.1 C131.1 R108.2 U25.6
/+VS_F_ch08: C151.1 C152.1 R125.2 U29.6
/+VS_F_ch09: C172.1 C173.1 R142.2 U33.6
/+VS_F_ch10: C193.1 C194.1 R159.2 U37.6
/+VS_F_ch11: C214.1 C215.1 R176.2 U41.6
/+VS_F_ch12: C235.1 C236.1 R193.2 U45.6
/-VS_F_ch01: C6.1 C7.1 R7.2 U1.5
/-VS_F_ch02: C27.1 C28.1 R24.2 U5.5
/-VS_F_ch03: C48.1 C49.1 R41.2 U9.5
/-VS_F_ch04: C69.1 C70.1 R58.2 U13.5
/-VS_F_ch05: C90.1 C91.1 R75.2 U17.5
/-VS_F_ch06: C111.1 C112.1 R92.2 U21.5
/-VS_F_ch07: C132.1 C133.1 R109.2 U25.5
/-VS_F_ch08: C153.1 C154.1 R126.2 U29.5
/-VS_F_ch09: C174.1 C175.1 R143.2 U33.5
/-VS_F_ch10: C195.1 C196.1 R160.2 U37.5
/-VS_F_ch11: C216.1 C217.1 R177.2 U41.5
/-VS_F_ch12: C237.1 C238.1 R194.2 U45.5
/BIAS_IN_ch01: J1.1 R1.1 R2.1
/BIAS_IN_ch02: J5.1 R18.1 R19.1
/BIAS_IN_ch03: J9.1 R35.1 R36.1
/BIAS_IN_ch04: J13.1 R52.1 R53.1
/BIAS_IN_ch05: J17.1 R69.1 R70.1
/BIAS_IN_ch06: J21.1 R86.1 R87.1
/BIAS_IN_ch07: J25.1 R103.1 R104.1
/BIAS_IN_ch08: J29.1 R120.1 R121.1
/BIAS_IN_ch09: J33.1 R137.1 R138.1
/BIAS_IN_ch10: J37.1 R154.1 R155.1
/BIAS_IN_ch11: J41.1 R171.1 R172.1
/BIAS_IN_ch12: J45.1 R188.1 R189.1
/BLVN_ch01: C14.1 C15.1 R11.2 U3.4
/BLVN_ch02: C35.1 C36.1 R28.2 U7.4
/BLVN_ch03: C56.1 C57.1 R45.2 U11.4
/BLVN_ch04: C77.1 C78.1 R62.2 U15.4
/BLVN_ch05: C98.1 C99.1 R79.2 U19.4
/BLVN_ch06: C119.1 C120.1 R96.2 U23.4
/BLVN_ch07: C140.1 C141.1 R113.2 U27.4
/BLVN_ch08: C161.1 C162.1 R130.2 U31.4
/BLVN_ch09: C182.1 C183.1 R147.2 U35.4
/BLVN_ch10: C203.1 C204.1 R164.2 U39.4
/BLVN_ch11: C224.1 C225.1 R181.2 U43.4
/BLVN_ch12: C245.1 C246.1 R198.2 U47.4
/BLVP_ch01: C12.1 C13.1 R10.2 U3.5
/BLVP_ch02: C33.1 C34.1 R27.2 U7.5
/BLVP_ch03: C54.1 C55.1 R44.2 U11.5
/BLVP_ch04: C75.1 C76.1 R61.2 U15.5
/BLVP_ch05: C96.1 C97.1 R78.2 U19.5
/BLVP_ch06: C117.1 C118.1 R95.2 U23.5
/BLVP_ch07: C138.1 C139.1 R112.2 U27.5
/BLVP_ch08: C159.1 C160.1 R129.2 U31.5
/BLVP_ch09: C180.1 C181.1 R146.2 U35.5
/BLVP_ch10: C201.1 C202.1 R163.2 U39.5
/BLVP_ch11: C222.1 C223.1 R180.2 U43.5
/BLVP_ch12: C243.1 C244.1 R197.2 U47.5
/BUF_FB_ch01: R13.2 R14.1 U4.2
/BUF_FB_ch02: R30.2 R31.1 U8.2
/BUF_FB_ch03: R47.2 R48.1 U12.2
/BUF_FB_ch04: R64.2 R65.1 U16.2
/BUF_FB_ch05: R81.2 R82.1 U20.2
/BUF_FB_ch06: R98.2 R99.1 U24.2
/BUF_FB_ch07: R115.2 R116.1 U28.2
/BUF_FB_ch08: R132.2 R133.1 U32.2
/BUF_FB_ch09: R149.2 R150.1 U36.2
/BUF_FB_ch10: R166.2 R167.1 U40.2
/BUF_FB_ch11: R183.2 R184.1 U44.2
/BUF_FB_ch12: R200.2 R201.1 U48.2
/BUF_OUT_ch01: R13.1 R15.1 U4.6
/BUF_OUT_ch02: R30.1 R32.1 U8.6
/BUF_OUT_ch03: R47.1 R49.1 U12.6
/BUF_OUT_ch04: R64.1 R66.1 U16.6
/BUF_OUT_ch05: R81.1 R83.1 U20.6
/BUF_OUT_ch06: R98.1 R100.1 U24.6
/BUF_OUT_ch07: R115.1 R117.1 U28.6
/BUF_OUT_ch08: R132.1 R134.1 U32.6
/BUF_OUT_ch09: R149.1 R151.1 U36.6
/BUF_OUT_ch10: R166.1 R168.1 U40.6
/BUF_OUT_ch11: R183.1 R185.1 U44.6
/BUF_OUT_ch12: R200.1 R202.1 U48.6
/BVN_ch01: C20.1 C21.1 R17.2 U4.4 U4.9
/BVN_ch02: C41.1 C42.1 R34.2 U8.4 U8.9
/BVN_ch03: C62.1 C63.1 R51.2 U12.4 U12.9
/BVN_ch04: C83.1 C84.1 R68.2 U16.4 U16.9
/BVN_ch05: C104.1 C105.1 R85.2 U20.4 U20.9
/BVN_ch06: C125.1 C126.1 R102.2 U24.4 U24.9
/BVN_ch07: C146.1 C147.1 R119.2 U28.4 U28.9
/BVN_ch08: C167.1 C168.1 R136.2 U32.4 U32.9
/BVN_ch09: C188.1 C189.1 R153.2 U36.4 U36.9
/BVN_ch10: C209.1 C210.1 R170.2 U40.4 U40.9
/BVN_ch11: C230.1 C231.1 R187.2 U44.4 U44.9
/BVN_ch12: C251.1 C252.1 R204.2 U48.4 U48.9
/BVP_ch01: C18.1 C19.1 R16.2 U4.7 U4.8
/BVP_ch02: C39.1 C40.1 R33.2 U8.7 U8.8
/BVP_ch03: C60.1 C61.1 R50.2 U12.7 U12.8
/BVP_ch04: C81.1 C82.1 R67.2 U16.7 U16.8
/BVP_ch05: C102.1 C103.1 R84.2 U20.7 U20.8
/BVP_ch06: C123.1 C124.1 R101.2 U24.7 U24.8
/BVP_ch07: C144.1 C145.1 R118.2 U28.7 U28.8
/BVP_ch08: C165.1 C166.1 R135.2 U32.7 U32.8
/BVP_ch09: C186.1 C187.1 R152.2 U36.7 U36.8
/BVP_ch10: C207.1 C208.1 R169.2 U40.7 U40.8
/BVP_ch11: C228.1 C229.1 R186.2 U44.7 U44.8
/BVP_ch12: C249.1 C250.1 R203.2 U48.7 U48.8
/CSP_IN_ch01: C2.2 C3.2 U1.1
/CSP_IN_ch02: C23.2 C24.2 U5.1
/CSP_IN_ch03: C44.2 C45.2 U9.1
/CSP_IN_ch04: C65.2 C66.2 U13.1
/CSP_IN_ch05: C86.2 C87.2 U17.1
/CSP_IN_ch06: C107.2 C108.2 U21.1
/CSP_IN_ch07: C128.2 C129.2 U25.1
/CSP_IN_ch08: C149.2 C150.2 U29.1
/CSP_IN_ch09: C170.2 C171.2 U33.1
/CSP_IN_ch10: C191.2 C192.2 U37.1
/CSP_IN_ch11: C212.2 C213.2 U41.1
/CSP_IN_ch12: C233.2 C234.2 U45.1
/CSP_OUT_ch01: RV1.1 U1.8 U2.1
/CSP_OUT_ch02: RV2.1 U5.8 U6.1
/CSP_OUT_ch03: RV3.1 U9.8 U10.1
/CSP_OUT_ch04: RV4.1 U13.8 U14.1
/CSP_OUT_ch05: RV5.1 U17.8 U18.1
/CSP_OUT_ch06: RV6.1 U21.8 U22.1
/CSP_OUT_ch07: RV7.1 U25.8 U26.1
/CSP_OUT_ch08: RV8.1 U29.8 U30.1
/CSP_OUT_ch09: RV9.1 U33.8 U34.1
/CSP_OUT_ch10: RV10.1 U37.8 U38.1
/CSP_OUT_ch11: RV11.1 U41.8 U42.1
/CSP_OUT_ch12: RV12.1 U45.8 U46.1
/FE_ch01: C2.1 J2.1 R3.2 R4.2
/FE_ch02: C23.1 J6.1 R20.2 R21.2
/FE_ch03: C44.1 J10.1 R37.2 R38.2
/FE_ch04: C65.1 J14.1 R54.2 R55.2
/FE_ch05: C86.1 J18.1 R71.2 R72.2
/FE_ch06: C107.1 J22.1 R88.2 R89.2
/FE_ch07: C128.1 J26.1 R105.2 R106.2
/FE_ch08: C149.1 J30.1 R122.2 R123.2
/FE_ch09: C170.1 J34.1 R139.2 R140.2
/FE_ch10: C191.1 J38.1 R156.2 R157.2
/FE_ch11: C212.1 J42.1 R173.2 R174.2
/FE_ch12: C233.1 J46.1 R190.2 R191.2
/N_filt_ch01: C1.1 R1.2 R2.2 R3.1 R4.1
/N_filt_ch02: C22.1 R18.2 R19.2 R20.1 R21.1
/N_filt_ch03: C43.1 R35.2 R36.2 R37.1 R38.1
/N_filt_ch04: C64.1 R52.2 R53.2 R54.1 R55.1
/N_filt_ch05: C85.1 R69.2 R70.2 R71.1 R72.1
/N_filt_ch06: C106.1 R86.2 R87.2 R88.1 R89.1
/N_filt_ch07: C127.1 R103.2 R104.2 R105.1 R106.1
/N_filt_ch08: C148.1 R120.2 R121.2 R122.1 R123.1
/N_filt_ch09: C169.1 R137.2 R138.2 R139.1 R140.1
/N_filt_ch10: C190.1 R154.2 R155.2 R156.1 R157.1
/N_filt_ch11: C211.1 R171.2 R172.2 R173.1 R174.1
/N_filt_ch12: C232.1 R188.2 R189.2 R190.1 R191.1
/OUT_50_ch01: J4.1 R15.2
/OUT_50_ch02: J8.1 R32.2
/OUT_50_ch03: J12.1 R49.2
/OUT_50_ch04: J16.1 R66.2
/OUT_50_ch05: J20.1 R83.2
/OUT_50_ch06: J24.1 R100.2
/OUT_50_ch07: J28.1 R117.2
/OUT_50_ch08: J32.1 R134.2
/OUT_50_ch09: J36.1 R151.2
/OUT_50_ch10: J40.1 R168.2
/OUT_50_ch11: J44.1 R185.2
/OUT_50_ch12: J48.1 R202.2
/PZ_ch01: RV1.2 RV1.3 U2.2
/PZ_ch02: RV2.2 RV2.3 U6.2
/PZ_ch03: RV3.2 RV3.3 U10.2
/PZ_ch04: RV4.2 RV4.3 U14.2
/PZ_ch05: RV5.2 RV5.3 U18.2
/PZ_ch06: RV6.2 RV6.3 U22.2
/PZ_ch07: RV7.2 RV7.3 U26.2
/PZ_ch08: RV8.2 RV8.3 U30.2
/PZ_ch09: RV9.2 RV9.3 U34.2
/PZ_ch10: RV10.2 RV10.3 U38.2
/PZ_ch11: RV11.2 RV11.3 U42.2
/PZ_ch12: RV12.2 RV12.3 U46.2
/SH_OUT_ch01: R12.1 U2.8 U3.1
/SH_OUT_ch02: R29.1 U6.8 U7.1
/SH_OUT_ch03: R46.1 U10.8 U11.1
/SH_OUT_ch04: R63.1 U14.8 U15.1
/SH_OUT_ch05: R80.1 U18.8 U19.1
/SH_OUT_ch06: R97.1 U22.8 U23.1
/SH_OUT_ch07: R114.1 U26.8 U27.1
/SH_OUT_ch08: R131.1 U30.8 U31.1
/SH_OUT_ch09: R148.1 U34.8 U35.1
/SH_OUT_ch10: R165.1 U38.8 U39.1
/SH_OUT_ch11: R182.1 U42.8 U43.1
/SH_OUT_ch12: R199.1 U46.8 U47.1
/SHAPER_OUT_ch01: R12.2 U3.8 U4.3
/SHAPER_OUT_ch02: R29.2 U7.8 U8.3
/SHAPER_OUT_ch03: R46.2 U11.8 U12.3
/SHAPER_OUT_ch04: R63.2 U15.8 U16.3
/SHAPER_OUT_ch05: R80.2 U19.8 U20.3
/SHAPER_OUT_ch06: R97.2 U23.8 U24.3
/SHAPER_OUT_ch07: R114.2 U27.8 U28.3
/SHAPER_OUT_ch08: R131.2 U31.8 U32.3
/SHAPER_OUT_ch09: R148.2 U35.8 U36.3
/SHAPER_OUT_ch10: R165.2 U39.8 U40.3
/SHAPER_OUT_ch11: R182.2 U43.8 U44.3
/SHAPER_OUT_ch12: R199.2 U47.8 U48.3
/SHVN_ch01: C10.1 C11.1 R9.2 U2.4
/SHVN_ch02: C31.1 C32.1 R26.2 U6.4
/SHVN_ch03: C52.1 C53.1 R43.2 U10.4
/SHVN_ch04: C73.1 C74.1 R60.2 U14.4
/SHVN_ch05: C94.1 C95.1 R77.2 U18.4
/SHVN_ch06: C115.1 C116.1 R94.2 U22.4
/SHVN_ch07: C136.1 C137.1 R111.2 U26.4
/SHVN_ch08: C157.1 C158.1 R128.2 U30.4
/SHVN_ch09: C178.1 C179.1 R145.2 U34.4
/SHVN_ch10: C199.1 C200.1 R162.2 U38.4
/SHVN_ch11: C220.1 C221.1 R179.2 U42.4
/SHVN_ch12: C241.1 C242.1 R196.2 U46.4
/SHVP_ch01: C8.1 C9.1 R8.2 U2.5
/SHVP_ch02: C29.1 C30.1 R25.2 U6.5
/SHVP_ch03: C50.1 C51.1 R42.2 U10.5
/SHVP_ch04: C71.1 C72.1 R59.2 U14.5
/SHVP_ch05: C92.1 C93.1 R76.2 U18.5
/SHVP_ch06: C113.1 C114.1 R93.2 U22.5
/SHVP_ch07: C134.1 C135.1 R110.2 U26.5
/SHVP_ch08: C155.1 C156.1 R127.2 U30.5
/SHVP_ch09: C176.1 C177.1 R144.2 U34.5
/SHVP_ch10: C197.1 C198.1 R161.2 U38.5
/SHVP_ch11: C218.1 C219.1 R178.2 U42.5
/SHVP_ch12: C239.1 C240.1 R195.2 U46.5
/TEST_IN_ch01: J3.1 R5.1
/TEST_IN_ch02: J7.1 R22.1
/TEST_IN_ch03: J11.1 R39.1
/TEST_IN_ch04: J15.1 R56.1
/TEST_IN_ch05: J19.1 R73.1
/TEST_IN_ch06: J23.1 R90.1
/TEST_IN_ch07: J27.1 R107.1
/TEST_IN_ch08: J31.1 R124.1
/TEST_IN_ch09: J35.1 R141.1
/TEST_IN_ch10: J39.1 R158.1
/TEST_IN_ch11: J43.1 R175.1
/TEST_IN_ch12: J47.1 R192.1
/TEST_N_ch01: C3.1 R5.2
/TEST_N_ch02: C24.1 R22.2
/TEST_N_ch03: C45.1 R39.2
/TEST_N_ch04: C66.1 R56.2
/TEST_N_ch05: C87.1 R73.2
/TEST_N_ch06: C108.1 R90.2
/TEST_N_ch07: C129.1 R107.2
/TEST_N_ch08: C150.1 R124.2
/TEST_N_ch09: C171.1 R141.2
/TEST_N_ch10: C192.1 R158.2
